# KiCad board Rogelio Pineda part 5.x1-AMLDC-2044B.kicad_pcb (continued)
## Routing (per net, layer and track width the routed paths; a pad name or vN(x,y) marks a point on that pad's centre or on a via; arc(x,y) is an arc through that point) (continued)
V0p10: length 7.8
  Top w0.15: UV0.5 120.09,67.14 120.16,72.39 120.16,73.23 UV0.10
V0p13: length 7.8
  Top w0.15: UV0.13 112.58,73.27 112.58,72.18 112.54,69.6 112.46,66.99 112.46,66.19 UV0.2
V1p12: length 8
  Top w0.15: 153.84,81.16 153.79,81.1 v1(153.72,81.1) 153.72,81.03 153.65,80.97 153.65,80.75 153.3,80.4 153.3,74.86 153.25,74.81 UV1.12
V1p13: length 13.7
  Top w0.15: 148.74,86.6 v1(148.74,86.66) 148.59,85.17 148.56,84.89 148.44,84.34 148.39,82.96 148.42,82.08 148.44,81.32 148.56,80.74 148.76,80.12 148.89,79.59 149.04,78.71 149.53,77.53 149.72,76.82 150.04,76.06 150.35,75.14 150.49,74.65 150.71,73.42
V3p10: length 7.6
  Top w0.15: 239.36,72.84 239.36,65.22
V3p13: length 7.8
  Top w0.15: 231.74,72.84 231.74,72.36 231.98,72.11 232.11,66.6 231.74,65.22
V5p1: length 18
  Top w0.2: UV5.1 298.16,63.94 298.56,63.4 298.97,62.16 299.27,60.81 299.43,54.71 299.4,52.92 299.41,52.58 299.45,52.12 299.23,50.44 299.02,49.62 298.87,49.07 UW5.1
V5p4: length 18.8
  Top w0.2: UW5.2 301.28,49.52 301.48,50.67 301.75,52.47 302.03,54.22 301.99,56.92 301.9,57.74 302.02,58.77 302.28,59.38 302.56,59.98 303.12,60.69 304.59,62.88 305.23,63.65 UV5.4
V5p5: length 19.2
  Top w0.2: UW5.7 312.56,47.85 312.31,48.29 312.01,49.16 311.09,50.29 309.61,52.27 309.42,55.02 309.62,60.3 309.12,61.8 308.81,62.69 308.28,63.48 UV5.5
V5p9: length 5
  Top w0.2: 314.11,76.76 v1(314.11,76.74) 314.87,76.22 315.57,74.37 315.94,73.5 UV5.9
V5p12: length 19.3
  Top w0.2: UW5.10 313.03,56.07 312.86,57.1 312.52,58.09 312.29,59.29 312.18,59.89 312.09,60.76 312,62.81 311.96,68.24 311.48,69.03 311.41,69.23 310.86,69.81 309.79,70.56 308.68,71.64 308.32,71.88 UV5.12
V5p13: length 19.3
  Top w0.2: UW5.15 300.61,57.1 300.54,58.54 301.14,60.21 301.66,61.23 301.89,61.93 302.06,62.61 301.96,65.92 301.97,67.53 302.25,68.51 302.73,69.2 303.21,69.71 303.46,70.08 303.88,70.31 304.31,70.65 305.13,71.43 UV5.13
V6p9: length 18.2
  Top w0.15: UV6.9 354.71,70.58 354.48,69.93 354.08,68.7 353.92,67.8 353.82,66.5 354.08,64.79 353.87,61.81 354.1,57.8 354.45,56.72 354.94,55.24 UW6.9
V6p12: length 9.2
  Top w0.15: UV6.12 348.64,71.21 348.92,70.74 350.02,69.5 350.72,68.62 351.39,67.66 352.08,66.39 UV6.5
V6p13: length 8.1
  Top w0.15: UV6.13 344.94,70.46 344.49,69.33 344.08,67.9 343.58,66.62 UV6.1
V7p13: length 38
  Top w0.15: UV7.13 382.51,73.88 383.12,75.81 383.36,76.62 383.6,77.14 384.31,79.34 385.34,82.1 386.94,86.8 387.87,89.64 389.92,95.58 391.78,100.52 392.73,102.98 393,103.82 393.92,106.38 394.07,106.86 UT7.7
(no net): length 15354.8
  Top w0.15: v1(435.61,361.51) 435.44,358.62 435.42,354.66 435.52,353.83 435.38,342.07 435.23,331.05 435.08,315.09 435.08,311.26 435,299.65 435.21,272.7 435.35,270.71 435.35,267.59 v1(435.26,267.5) ; 320.5,194.85 320.55,194.8 ; 320.55,194.8 320.34,191.57 320.37,190.83 320.27,187.79 320.11,186.38 320.05,184.76 319.77,182.23 319.47,180.67 319.38,179.54 319.18,178.28 319.09,177.03 318.86,175.71 318.68,174.47 318.57,172.92 318.48,172.08 318.37,166.87 318.14,160.19 317.98,133.68 317.93,132.16 317.92,130.24 317.87,129.31 317.76,124.81 317.81,123.33 317.76,118.17 ; 320.55,194.8 320.63,200.26 320.66,201.14 320.83,207.32 320.56,208.69 320.44,209.6 320.18,210.76 319.79,212.59 319.37,213.65 v1(319.01,214.32) ; 223.62,157.79 223.77,156.46 223.62,155.2 v1(223.62,153.84) ; v1(417.59,264.07) 417.71,265.75 417.57,287.77 417.63,289.14 417.76,297.06 417.76,297.95 417.85,302.06 417.92,303.23 417.69,303.72 417.53,304.75 417.99,306.01 418.1,310.4 417.79,310.79 417.65,312.27 417.74,312.36 417.74,312.53 418.14,313.21 418.04,314.33 418.03,315.77 v1(417.92,315.89) ; 256.65,89.45 v1(256.7,89.47) 256.91,90.8 257.17,92.01 257.21,93.67 257.22,97.51 257,97.72 257,116.5 257.12,117.61 256.84,150.55 256.85,153.57 256.74,155.74 v1(256.6,157.02) 257.13,161.43 256.67,221.62 256.59,227.41 v1(256.41,228.79) ; v1(321.56,40.95) 321.49,49.03 321.51,52.14 v1(321.69,65.02) ; v1(223.78,329.33) 223.94,330.28 224.18,331.51 224.37,333.12 224.49,335.73 224.48,337.48 224.48,356.32 224.44,359.35 ; 329.21,114.51 329.28,114.57 v1(329.15,114.64) 329.28,117.36 329.04,123.13 328.84,128.13 328.82,130.07 328.78,134.81 328.81,136.07 329.02,141.97 329.12,143.22 329.31,149.68 329.34,149.71 329.34,153.55 v1(329.51,153.72) ; v1(281.65,369.86) 281.65,345.91 v1(281.54,345.79) ; v1(399.47,286.71) 399.5,286.74 399.5,288.33 399.4,288.71 399.22,289.96 399.09,292.7 398.98,293.68 399.07,313.06 399.21,320.69 399.33,351.71 399.38,352.46 399.41,355.24 399.61,357 399.85,360.22 400.08,364.05 399.98,364.65 v1(400.02,364.69) ; v1(333.3,167.61) 332.86,166.75 332.74,166.47 332.47,164.89 332.4,164.35 332.23,163.29 332.18,161.81 332.18,157.69 332.33,156.49 332.56,152.79 332.84,151.53 332.97,148.47 v1(332.97,148.47) ; 254.2,50.02 254.2,50.12 v1(254.25,50.17) 254.2,50.22 254.2,51.19 254.38,51.89 254.56,54.47 254.61,55.1 254.9,57.87 255.04,59.42 255.2,69.82 255.05,71.2 254.88,74.54 254.67,76.65 254.35,78.61 254.01,80.27 253.87,82.13 253.74,85.54 253.59,117.21 253.57,119.9 252.93,145.35 252.97,154.67 253.41,160.48 253.71,161.72 v1(253.81,162.64) ; v1(366.31,218.24) 366.29,216.97 366.25,215.92 366.11,211.44 366.13,210.59 366.06,208.1 366.07,206.62 366.03,203.01 365.99,202.17 365.89,198.98 365.89,198.04 365.81,196.48 365.73,194.78 365.8,194.01 365.69,192.96 365.71,192.94 365.85,190.17 365.94,189.07 366.12,186.88 366.15,186.16 366.25,185.14 366.38,181.52 366.35,174.88 366.35,173.37 366.35,172.17 366.3,169.35 366.34,165.47 366.27,164.71 v1(366.08,163.62) ; 104.46,163.9 104.43,163.93 v1(104.43,165.18) ; v1(363.07,284.43) 363.32,284.16 363.29,283.75 v1(362.98,276.78) ; v1(179.27,221.32) 179.06,223.06 179.2,223.91 ; 224.44,359.35 224.02,359.77 v1(223.94,359.77) ; 224.44,359.35 224.44,359.43 ; v1(134.4,90) 134.5,93.81 134.49,94.43 134.72,96.07 134.87,99.37 134.91,100.98 134.97,102.63 135.07,104.36 135.07,109.63 135.49,111.26 135.75,113.97 135.92,114.91 136.09,116.33 136.42,118.08 136.45,123.1 136.21,124.39 136.07,126.62 136.03,126.97 135.41,132.89 135.17,135.06 135.1,136.34 134.96,136.99 134.77,140.78 134.84,142.16 134.79,144.19 v1(134.65,153.67) 133.94,154.38 133.71,155.29 133.17,157.37 133.04,169.32 133.17,170.89 133.91,174.66 134.26,175.83 135.21,179.98 135.43,181.5 135.83,185.85 136.01,187.02 136.28,191.92 136.36,193.27 136.41,195.42 136.45,196.99 136.63,199.85 136.88,201.01 137.32,206.97 137.43,208.16 137.65,210.31 137.78,211.17 137.87,214.54 137.98,216.29 138.16,218.82 138.23,219.44 v1(138.13,221.13) ; v1(400.17,367.49) 400.48,367.36 401.23,366.16 401.83,364.77 401.48,359.83 401.38,358.83 401.37,358.09 401.34,357.85 401.3,356.34 401.31,355.83 401.33,355.54 401.46,353.98 401.86,352.87 402.19,352.01 402.53,350.97 402.62,349.29 401.9,346.07 401.58,339.06 401.48,335.43 401.28,330.59 401.15,324.27 401.12,320.12 ; 286.75,288 286.31,277.31 286.24,275.66 286.43,273.37 286.76,263.36 287.36,256.67 287.62,254.45 v1(287.75,253.81) ; 255.36,346.2 255.38,346.06 ; 255.38,346.06 255.55,345.17 255.87,336.06 255.86,335.25 255.82,332.87 255.84,328.62 255.58,325 255.65,324.57 255.25,321.54 254.82,318.21 254.48,314.02 253.95,307.73 253.82,302.97 253.88,302.28 254.03,297.82 254.15,296.82 254.54,294.56 254.78,293.06 v1(255.29,291.17) ; 255.38,346.06 255.32,346.34 v1(255.29,347.17) ; v1(289.01,399.23) 289.31,396.84 289.72,392.4 289.68,375.54 289.68,372.13 289.39,366.88 v1(289.12,364.9) ; v1(289.07,288.37) 289.29,290.25 289.48,292.19 289.85,294.08 290.15,298.4 290.11,300.55 290.15,304.05 290.08,304.92 v1(290.09,305.25) ; v1(374.63,163.57) 375.21,188.48 375.09,240.14 375.15,252.88 375.15,253.58 v1(374.9,253.83) ; 253.02,46.3 v1(252.9,46.4) 252.88,46.87 252.44,48.35 251.34,52.58 251.22,53.63 250.83,56.61 250.15,59.48 249.93,61.67 249.71,63.05 249.72,64.98 249.65,66.98 249.83,68.03 249.99,78.9 250.03,78.94 250.03,88.07 250.16,91.33 250.41,100.43 250.39,100.45 250.46,110.21 250.62,116.82 251.01,122.15 251.13,123.28 251.22,124.84 251.17,127.06 250.76,130.09 250.64,131.61 250.58,132.85 250.52,135.29 250.51,139.42 250.49,144.31 250.22,154.81 250.11,160.81 250.49,162.17 250.89,163.61 251.76,166.15 252,168 252.24,169.57 252.27,174.11 252.29,178.03 252.24,180.32 v1(252,183.79) ; v1(99.01,106.58) 98.8,107.06 98.42,108.18 98.08,109.39 97.74,110.77 97.55,113.46 97.39,114.67 97.39,117.04 97.39,118.65 97.48,120 97.55,121.14 97.59,125.2 97.65,125.88 97.52,127.15 96.67,128.73 96.38,129.59 95.19,131.02 93.26,132.76 92.43,133.4 ; v1(183.59,179.32) 184.14,201.68 183.62,217.01 183.6,218.16 v1(183.39,221.22) ; 404.18,102.61 v1(403.99,102.75) 404.03,121.4 403.88,179.23 403.87,182.68 403.97,191.48 403.94,192.6 404.02,203.76 404.09,212.96 404.09,221.89 404.09,224.47 404.12,228.13 404.12,230.59 404.05,234.1 404.12,235.49 404.42,239.67 404.66,242.15 404.64,249.69 404.59,251.09 404.47,252.55 404.2,253.17 v1(403.98,253.58) ; v1(172.18,329.88) 172.39,330.87 172.76,331.97 172.79,333.96 172.59,337.58 172.13,340.17 171.7,345.45 171.7,348.88 171.6,350.32 171.84,354.14 172.78,355.78 173.27,356.93 173.39,357.87 173.39,362.98 173.38,364.34 173.26,366.6 173.22,368.17 173.52,371.32 173.8,373.43 173.87,374.56 173.93,376.27 174.15,380.95 174.29,381.99 174.39,384.8 174.54,386.17 174.37,389.98 173.61,394.9 173.38,397.95 173.29,398.84 v1(173.29,401.93) ; v1(338.22,206.68) 338.45,207.85 338.6,210.44 338.6,211.76 338.58,213.26 338.5,216.61 338.32,221.28 338.17,224.19 337.76,230.92 337.59,232.99 337.48,235.28 337.4,235.9 337.22,240.28 337.07,241.42 336.84,243.21 336.06,244.72 335.74,245.77 334.66,247.59 334.21,249.83 334.01,251.73 334.14,255.05 334.08,257.5 334.16,262.57 334.14,264.92 334.31,270.76 334.23,270.85 334.23,279.06 334.16,280.68 334.16,294.07 334.11,294.12 334.11,295.98 334.14,297.97 334.4,308.86 334.46,311.66 v1(334.63,316.11) ; 173.71,333.63 173.75,330.55 173.24,326.17 173.25,324.01 173.33,323.23 173.65,321.35 173.85,319.7 173.63,317.05 173.4,315.17 172.73,312.01 173.31,308.87 173.55,308.09 173.81,306.05 174.03,304.8 174.07,303.63 174.02,300.83 174.03,300.27 173.8,295.73 173.88,289.67 173.98,281.2 173.98,280.47 174.02,274.31 174.06,273.47 173.94,267.64 173.95,265.53 173.92,262.74 173.97,258.81 173.94,254.61 174.07,251.36 174.07,247.89 174.09,247.55 174.09,242.96 174.07,242.48 174.17,239.23 174.17,225.34 174.15,224.63 174.08,221.42 174.08,210.05 173.88,195.11 173.93,192.19 173.32,184.88 172.97,183.62 172.76,182.45 172.22,180.54 171.9,178.44 171.86,176.86 171.96,171.86 v1(172.26,170.34) ; v1(405.09,349.25) 404.95,350.02 404.62,350.96 404.45,351.54 404.19,352.15 403.82,353.45 403.71,354.35 403.57,355.89 403.56,358.53 403.7,365.3 403.4,367.21 403.24,367.77 403.06,368.81 402.92,370.22 402.87,370.62 402.76,371.23 402.76,377.74 402.7,378.29 402.73,379.15 402.89,381.13 403.01,381.73 403.3,383 403.43,383.51 403.68,384.38 404.1,385.16 404.34,385.88 404.44,386.36 v1(404.54,387.25) ; v1(221.98,289.43) 221.28,290.84 221.23,309.86 221.25,323.03 221.04,333.09 220.91,337.05 220.82,338.02 220.73,341.78 221.14,343.89 220.94,345.44 220.49,346.29 ; v1(363.07,328.79) 363.14,330.04 362.97,332.1 362.79,334.87 362.69,336.03 362.69,337.49 362.65,341.81 362.74,343.64 362.74,347.54 362.73,348.94 362.69,353.53 362.76,354.67 362.92,358.73 363.01,360.19 363.3,363.81 363.47,365.8 363.7,369.19 363.81,369.87 364.03,372 364.2,373.14 364.32,374.45 364.73,378.26 364.96,380.85 365.01,385.3 364.95,386.45 364.87,387.21 364.49,390.59 v1(364.33,391.06) ; v1(85.72,124.32) 86.1,123.46 86.32,122.36 87.21,119.97 87.38,119.07 87.66,116.54 87.76,115.97 87.69,115.53 87.74,114.44 87.72,113.42 87.62,111.55 87.22,110.19 86.96,109.17 86.09,108.06 84.95,107.46 84.69,107.28 83.78,107.08 v1(82.41,107.01) ; v1(367.93,354.17) 368.41,353.69 368.66,345.87 368.46,343.87 368.28,343.39 367.66,341.82 367.37,341.03 366.96,340.07 366.81,339.12 367.09,337.61 367.23,337.09 367.39,336.1 367.53,335.48 367.59,334.81 367.78,333.9 368,332.9 368.13,332.15 368.3,331.02 368.43,330.15 368.43,328.88 368.37,328.62 368.29,328.12 367.97,327.13 367.43,325.99 367.28,325.48 367.09,324.57 366.9,323.26 366.85,322.25 366.7,319.84 366.66,318.77 366.75,317.35 367.05,315.62 367.3,314.41 367.36,312.35 367.04,311.34 366.54,309.98 366.16,308.72 366.25,307.3 366.6,306.11 367.18,304.29 367.58,303.25 368.23,301.36 369.12,299.37 369.67,295.46 369.7,291.99 369.86,283.93 369.52,280.36 369.09,278.39 368.9,276.55 369.26,275.15 369.85,273.78 370.2,272.99 370.52,271.56 370.36,269.72 369.96,268.56 369.58,267.1 369.2,265.73 368.99,261.79 369.02,261.06 368.94,260.44 369.02,257.25 368.93,256.18 368.73,253.68 368.65,252.97 368.54,249.31 368.48,249.09 368.57,244.8 368.72,236.56 368.76,235.91 368.7,235.58 368.69,235.15 367.9,231.64 367.74,230.61 367.47,229.7 367.23,228.63 367.12,227.87 367.16,226.77 367.29,225.79 v1(367.43,224.54) ; 334.3,104.21 334.3,104.25 v1(334.35,104.3) 334.3,104.35 333.83,104.95 333.51,105.97 333.35,107.31 333.14,113.88 333.23,115.44 333.29,117.48 333.33,118 333.65,121.13 333.82,121.97 334.16,123.86 334.22,124.98 v1(334.16,125.28) ; v1(407.69,257.66) 407.77,256.78 408.02,255.99 408.28,254.43 408.4,253.7 408.47,252.59 408.58,250.15 408.62,249.66 408.57,246.41 408.5,245.04 408.52,244.09 408.32,243.02 408.24,241.16 408.04,239.86 407.89,238.18 407.68,236.72 407.59,235.55 407.39,234 407.27,232.17 407.17,230.54 406.96,217.82 407.02,216.08 406.96,214.17 406.95,211.8 406.84,199.91 ; v1(181.78,56.63) 181.58,56.63 180.53,57.98 181,60.69 181.2,61.72 181.6,63.32 181.66,64.68 181.3,80.8 181.37,81.61 181.31,82.99 180.91,96.88 180.3,101.99 180.07,104.71 180.18,106.16 180.28,106.7 180.66,109.73 181.16,112.92 181.09,113.63 181.09,114.53 181.26,120.15 181.26,126.59 181.31,144.97 181.33,146.28 181.33,152.57 181.75,160.77 181.99,162.12 v1(182.4,162.83) ; v1(411.97,399.92) 412.18,399.46 412.58,398.6 412.59,392.8 412.59,390.87 412.56,379.18 412.55,374.85 412.5,367.34 412.47,365.81 412.33,354.67 412.33,352.67 412.35,349.35 412.41,342.5 412.28,338.59 412.17,337.26 412.04,335.67 412.04,334.17 v1(411.8,333.92) ; 83.67,72.46 83.5,72.29 v1(83.15,72.27) 83.13,72.29 ; 83.67,72.46 84.72,72.78 85.05,73.04 86.67,73.9 86.96,74.07 87.31,74.29 87.69,74.49 88.59,75.1 89.17,75.39 90.05,75.98 90.69,76.42 92.15,77.58 94.5,79.98 95,80.63 95.9,81.64 96.91,83.14 97.91,84.45 98.4,85.34 99.49,86.91 100.16,88.11 101.02,89.82 101.45,90.97 101.52,91.04 101.76,92.02 101.74,92.27 101.85,92.97 101.44,95.11 101.36,95.61 101.2,96.4 101.45,98.14 101.69,98.89 101.88,100.28 102.04,100.83 102.16,101.38 102.28,101.96 102.3,102.58 102.41,103.22 102.51,105.04 102.5,105.71 102.47,106.39 102.31,107.52 102.08,108.51 101.82,109.59 101.45,110.44 101.18,111.76 100.82,112.7 100.46,113.89 100.07,114.92 99.49,117 99.42,118.12 99.35,119.42 99.43,120.14 99.4,120.67 99.63,121.64 99.63,122.23 99.89,123.27 100.19,125.09 100.43,126.22 100.48,126.94 ; 83.67,72.46 83.54,72.33 ; 253.68,342.9 253.68,343.29 253.73,342.49 254.21,338.72 254.42,337.14 254.45,336.71 254.63,334.6 254.52,333.14 254.54,331.9 254.57,329.17 254.18,324.96 253.89,322.13 253.8,320.42 253.38,313.94 252.95,309.83 252.58,306.38 252.55,305.19 252.36,301.42 252.35,298.51 252.32,290.34 252.33,286.65 252.45,282.92 252.51,282.53 252.72,280.44 253.2,277.23 253.42,276.46 253.52,276.46 v1(254.06,275.92) ; v1(178.86,368.84) 178.72,367.51 178.53,363.27 178.47,362.39 178.09,359.91 177.98,358.44 177.76,356.15 177.8,354.05 178.07,351.01 178.4,348.57 178.43,348.23 178.62,346.04 178.78,343.23 179.02,340.64 179.37,336.01 179.33,334.91 179.25,332.55 179.04,330.81 178.72,328.08 178.55,325.98 178.47,325.91 178.47,321.88 178.49,321.31 178.7,318.83 178.88,317.59 179.04,307.73 178.94,307.16 178.84,303.28 178.74,302.47 178.21,297.15 178.08,295.44 178.57,294.04 179.35,292.27 180.12,289.08 180.3,280.12 ; 212.27,201.43 212.17,186.03 212.21,185.98 212.21,178.72 212.26,178.67 212.3,170.73 212.27,169.43 212.47,166.76 212.93,162.47 ; v1(368.06,272.91) 367.97,273.65 367.92,274.06 367.86,274.78 367.87,277.38 368.13,278.74 368.47,280.23 368.62,280.87 368.83,281.84 368.89,282.57 368.81,294.36 368.52,297.01 368.08,299.43 367.45,301.12 366.87,302.92 366.47,303.89 365.79,305.9 365.53,306.53 365.28,307.53 365.23,308.26 365.3,309.99 365.52,311.26 v1(365.41,312.28) ; v1(97.38,90.82) 97.03,92.28 96.76,92.91 96.42,94.72 95.61,97.55 95.57,98.74 95.5,99.92 95.39,100.34 95.29,101.39 94.93,103.79 94.81,105.16 94.61,106.93 ; v1(337.02,252.72) 336.85,253.71 336.72,255.33 336.71,257.23 336.59,258.45 336.64,265.99 336.62,266.72 336.62,267.66 336.61,273.69 336.61,280.07 336.68,280.14 336.68,287.8 336.82,290.09 336.86,290.44 336.96,291.94 337.04,293.78 337.12,294.59 v1(337.09,295.84) ; 107.05,200.13 107.5,202.85 107.66,203.63 107.66,204.3 108.15,207.24 108.21,207.83 108.55,208.78 108.7,209.48 v1(108.99,211.45) ; v1(368.15,338.91) 368.31,338.2 368.47,337.42 368.41,337.06 368.53,334.89 368.93,332.48 369.12,331.69 369.39,330.04 369.48,328.95 369.26,327.76 368.82,326.71 367.87,323.47 367.71,322.41 367.62,321.66 367.63,321.24 367.58,319.74 367.61,318.71 367.58,317.76 367.71,316.9 367.84,316.39 368.45,312.96 368.1,311.5 367.87,311.02 367.25,309.4 367.17,308.39 367.12,307.89 367.3,307.01 368.2,304.82 368.64,303.44 368.99,302.56 369.38,301.12 370.05,299.38 370.53,296.86 370.65,296.3 370.8,282.57 370.78,281.39 370.66,280.49 370.56,279.73 370.06,277.97 369.87,276.64 370.23,275.24 370.61,274.36 371.28,272.79 371.44,271.44 371.42,270.86 371.38,269.72 371.01,268.96 370.93,268.36 370.39,266.82 370.02,264.97 369.9,255.67 369.89,255.65 369.73,254.55 369.64,253.76 369.46,250.76 369.72,248.48 370.71,245.56 371.19,244.23 371.36,239.31 371.45,237.33 371.4,218.38 371.17,215.02 371.15,214.64 370.66,211.8 370.24,208.81 370.19,207.99 369.88,199.68 369.85,198.81 369.78,191.32 370.66,188.73 371.23,187.11 371.43,186.49 371.57,185.78 371.81,184.9 371.8,182.89 371.74,177.86 371.29,171.78 371.17,170.64 371.1,170.14 v1(370.9,169.74) ; v1(403.42,397.33) 402.97,396.36 402.32,395.38 402.03,394.6 401.8,394.14 401.34,392.24 401.46,386.11 v1(401.28,384.68) 401.39,384.26 401.5,383.87 401.48,382.46 401.48,381.5 401.31,374.64 401.34,373.97 401.37,373.24 401.44,370.36 401.55,369.51 401.81,368.41 402.21,366.48 402.61,364.69 402.58,361.38 402.49,359.74 402.44,357.12 402.44,356.15 402.42,355.33 402.53,354.47 402.86,353 403.11,352.31 403.49,351.33 403.58,349.3 403.4,347.79 403.26,346.66 403.13,345.63 403.14,345.17 402.91,342.96 402.79,341.26 402.79,340.78 402.76,336.95 402.82,335.89 402.92,330.18 403.04,329.4 403.21,328.15 403.31,327.77 v1(403.43,326.17) 403.23,325.68 403.11,325.31 402.79,323.69 402.71,323.05 402.53,321.21 402.54,320.1 402.54,317.55 402.58,316.94 402.69,315.62 402.81,314.68 402.94,313.76 403.25,312.44 403.57,309.85 403.03,307.54 v1(403.03,307.23) ; v1(82.48,122.04) 82.72,122.93 83.05,123.71 83.23,124.31 83.48,124.67 84.28,126.15 84.52,126.52 84.92,127.12 85.49,127.63 86.23,128.05 86.9,128.17 87.42,128.16 88.32,127.83 89.82,126.33 90.01,126.07 90.38,125.43 90.77,124.79 91.58,123.04 91.98,121.94 92.11,121.55 92.19,121.07 92.29,120.25 92.29,117.03 92.21,116.38 92.11,115.37 92.01,114.84 92.01,114.34 91.86,112.51 91.84,112.25 91.84,112.07 91.74,111.16 91.71,110.95 91.75,109.97 91.81,109.33 92.02,107.54 92.15,106.67 92.24,105.64 92.31,105.3 92.34,105.21 92.48,104 92.63,102.47 92.63,101.58 92.69,101.47 92.68,101.37 92.47,99.47 92.18,98.76 91.91,98.09 91.63,97.75 91.35,97.4 90.24,96.29 89.92,96.09 89.19,95.6 88.31,94.97 87.22,94.22 87.08,94.01 86.45,93.64 86.1,93.31 v1(84.75,92.66) ; 400.41,295.19 400.35,296.16 ; 400.35,296.16 400.38,295.46 400.64,294 400.74,293.3 400.86,292.42 401.18,291.51 401.77,289.34 402.22,288.23 402.69,286.77 402.76,286.38 402.96,285.88 403.34,284.26 403.55,281.08 403.58,279.76 403.59,269.76 403.6,268.19 403.39,265.32 402.99,263.58 402.38,262.19 401.47,260.74 401.41,260.74 400.44,258.99 399.52,257.55 399.12,256.44 398.77,254.79 398.69,248.54 398.68,247.37 398.5,208.9 398.77,204.11 398.71,201.56 v1(398.89,201.38) ; 400.35,296.16 400.22,300.47 400.22,302.35 400.19,306.29 400.2,307.02 400.2,316.92 400.17,318.58 400.45,330.39 400.45,334.65 400.71,347.8 400.81,349.4 v1(400.84,350.56) ; 408.9,233.59 408.92,234.73 409.07,236.24 409.06,237.46 409.32,240.55 409.33,241.17 409.43,243.22 409.66,246.34 409.67,248.24 409.78,252.72 ; v1(319.75,119.17) 319.53,120.17 319.42,121.23 319.32,123.56 319.2,124.72 318.99,138.83 319.02,153.46 319.21,155.16 319.92,157.04 320.75,158.9 321.22,160.02 321.57,161.35 321.61,162.31 321.67,163.86 321.56,170.66 321.63,171.84 322.1,177.43 322.28,178.33 322.52,180.3 322.73,181.31 322.73,181.84 322.94,183.53 322.91,184.48 323.07,186.22 323.05,224.84 323.05,226.19 322.73,237.44 322.62,238.62 322.53,239.78 322.47,240.68 322.32,241.12 322.16,242.51 322.04,243.59 322.04,244 321.82,245.8 321.63,247 321.5,247.81 321.26,249.91 321.16,250.66 v1(321.14,251.26) ; v1(330.91,301.16) 331.27,302.4 331.66,303.62 331.87,304.39 332.13,305.18 332.42,306.47 332.73,307.62 332.92,309.85 332.94,311.07 332.98,312.81 332.94,314.55 332.78,315.92 332.52,321.34 332.57,321.75 332.77,323.84 332.96,324.53 333.06,325.08 333.3,325.79 333.61,327.36 333.77,327.92 334.12,329.37 334.46,330.5 335.26,334.01 335.43,335.47 335.28,340.59 335.02,344.84 335.38,350.27 335.41,351.52 335.58,356.47 v1(335.35,357.46) ; v1(372.2,333.87) 372.24,332.74 372.33,331.65 372.45,330.6 372.58,329.46 372.56,328.73 372.63,327.09 372.55,326.49 372.14,325.24 372.23,325.33 371.64,324.23 370.93,322.91 370.41,321.08 370.28,318.17 370.67,315.65 371.02,314.22 371.24,313.3 371.55,312 371.61,311.27 371.48,309.69 ; v1(85.18,117.97) 85.33,117.1 85.38,115.19 85.5,114.78 85.39,112.88 85.22,112.03 85,111.25 84.5,110.75 84.24,110.47 83.69,110.17 83.1,110.11 v1(82.61,110.46) ; 335.94,156.02 336.09,155.22 335.74,146.56 ; 281.56,71.61 281.56,71.66 v1(281.58,71.67) 281.56,71.69 281.56,76.47 281.36,81.67 281.37,83.38 281.42,84.87 281.36,90.43 281.32,92.7 281.47,100.06 281.67,102.69 281.75,107.56 281.97,109.86 281.94,111.88 282.11,113.36 282.22,114.06 282.54,118.9 282.81,119.67 283.22,121.71 283.57,123.42 284.01,125.59 283.87,128.61 283.97,133.93 283.81,180.96 283.44,203.27 283.21,204.08 283.04,205.03 282.85,205.64 282.39,207.83 282.12,208.57 281.61,211.37 v1(281.31,212.18) ; v1(290.53,200.35) 290.35,199.32 289.87,197.77 289.72,196.57 289.71,189.36 290.04,182.48 290.22,179.31 290.55,176.07 291.01,168.75 291.12,158.7 291.29,153.22 291.25,147.79 291.4,125.66 291.35,119.49 291.35,107.22 291.33,107.19 291.07,103.81 291.14,100.53 291.3,94.08 291.35,94.03 291.14,90.67 291.21,87.03 291.21,80.46 291.18,80.44 291.18,75.01 291.18,73.8 290.95,68.79 ; v1(320.94,136.91) 320.94,137.71 320.82,137.91 320.58,139.14 320.47,140.68 320.24,148.22 320.31,153.5 320.53,154.83 321.06,156.24 321.68,157.56 322.52,159.17 322.79,160.89 322.66,171.23 322.79,174.03 323.17,177.37 323.34,178.17 323.78,180.29 323.94,180.92 324.04,185.23 324.13,186.23 324.19,189.3 324.16,190.93 324.26,197.94 324.25,197.95 324.25,208.42 324.26,208.44 324.26,215.61 324.22,216.36 324.06,228.27 324.03,232.49 324.03,233.99 324.1,238.33 324.13,239.53 323.89,244.41 323.79,245.51 323.39,248.74 323.14,250.23 322.92,251.77 322.86,252.08 v1(322.67,252.92) ; v1(183.93,148.62) 184.04,145.72 183.99,139.52 183.72,127.82 183.72,126.76 183.74,125.15 183.5,114.77 183.45,112.28 183.42,110.8 183.51,110.09 183.51,104.46 183.44,104.39 183.51,104.32 183.6,94.44 183.66,93.24 183.7,91.49 183.72,89.55 183.8,86.84 183.77,85.29 183.83,82.98 183.92,78.3 183.95,77.67 183.95,69.81 183.99,68.28 184.13,64.09 184.16,62.45 184.16,59.43 184.1,58.16 183.85,57.6 v1(183.85,56.99) ; v1(219.09,168.59) 219.22,169.56 219.33,170.55 219.29,171.4 219.38,172.82 219.38,174.86 218.84,189.52 218.73,190.84 218.56,197.53 217.83,202.89 218.64,209.33 218.76,212.96 218.7,213.6 v1(218.79,214.97) ; v1(182.91,335.42) 182.38,336.37 182.29,338.14 182.35,339.7 182.32,341 182.03,349.96 181.97,352.79 181.79,359.52 181.98,365.11 182.21,365.48 182.23,365.71 v1(182.27,366.28) ; v1(250.14,187.11) 250.47,185.42 250.25,182.56 251.31,173.89 251.42,171.78 251.08,167.71 249.91,164.85 249.12,160.97 249.35,141.99 249.24,132.95 249.24,126.87 v1(249.18,122.92) ; v1(409.5,391.53) 409.69,391.09 409.7,390.07 409.65,375.77 409.61,372.57 409.49,364.54 v1(409.38,361.9) ; 172.53,293.52 172.17,289.6 171.66,287.07 171.41,282.02 171.51,279.2 171.68,268.9 171.49,265.61 v1(172.18,263.16) ; 211.41,51.13 211.41,51.36 v1(211.35,51.42) 211.03,68.27 210.7,73.91 210.76,75.23 210.76,75.76 v1(210.57,75.96) 210.61,75.91 210.83,77.34 210.97,78.21 211.35,80.2 211.38,82.21 211.4,82.91 211.4,101.61 211.35,103.5 210.97,105.14 210.47,106.33 209.95,108.51 209.9,108.97 209.99,109.74 210.33,113.16 210.46,114.73 210.62,119.97 210.53,123.28 210.57,123.58 210.59,124.6 210.91,126.03 210.95,126.87 211.18,128.59 211.39,130.97 211.6,132.86 211.71,134.26 211.8,135.92 211.74,138.44 211.75,142.71 211.72,144.53 v1(211.17,147.29) 211.01,148.56 211.01,155.28 211.06,156 211.06,162.61 210.99,164.08 211.08,171.68 211.05,173.42 211.07,179.58 210.99,183.84 211.02,188.97 210.93,189.57 211.01,198.14 211.06,198.39 210.96,203.56 210.93,206.12 210.93,216.19 210.88,216.24 210.88,221.42 210.57,229.09 210.49,257.55 210.48,258.67 210.32,344.09 210.54,345.08 211.07,348.97 v1(211.21,349.76) ; v1(158.66,266.87) 159.8,267.39 160.64,267.93 161.05,268.35 161.68,269.14 162.02,270.32 162.03,272.09 162.08,273.28 v1(162.16,276.43) ; v1(308.45,123.1) 308.88,124 309.04,125.49 309.39,128.22 309.51,129.76 309.61,130.77 309.7,132.31 309.84,133.83 309.96,136.71 309.96,137.18 309.98,137.67 309.91,142.21 309.91,142.78 309.98,149.79 309.96,149.81 309.99,156.11 310.03,164.49 309.84,165.49 309.63,165.98 309.45,166.24 309.45,166.26 309.28,166.48 308.94,166.79 308.26,167.32 307.49,167.93 v1(307.49,167.93) ; v1(179.68,54) 179.68,54.27 179.55,54.69 179.42,55.07 179.31,55.5 179.28,57.46 179.46,58.81 179.61,60.04 179.97,61.52 180.61,65.19 180.78,66.9 180.66,70.07 180.64,71.08 180.42,77.22 180.39,77.71 180.17,82.4 180.16,88.88 180.07,95.3 179.89,97.85 179.7,99.09 179.33,101.3 179.09,105.13 179.04,106.2 179.17,107.47 179.48,108.68 179.84,110.85 179.94,112.01 179.95,112.55 180.06,113.18 180.07,114.14 180.25,116.91 180.31,118.94 180.28,120.23 180.32,123.94 180.32,124.49 180.29,125.68 180.2,136.66 180.28,141.52 180.22,142.97 180.33,147.62 180.3,148.26 180.39,153.48 180.39,154.93 180.82,161.01 180.92,161.97 ; 100.48,126.94 100.49,127.58 100.74,146.02 100.66,146.1 100.6,154.79 100.54,155.61 100.33,158.39 100.29,159.3 100.11,161.06 99.99,162.37 99.89,163.16 99.88,163.44 99.76,164.53 99.81,165.34 100.08,167.96 100.9,171.56 101.07,173.3 101.17,174.45 101.23,176.2 101.13,179.23 100.75,182.02 v1(100.52,183.22) ; 100.48,126.94 100.47,126.76 ; v1(409.32,356.65) 409.58,356.09 409.76,355.53 409.88,354.26 410,352.94 409.93,345.69 409.93,344.85 409.5,343.45 408.92,342.4 408.19,341.61 408.07,341.24 407.58,339.7 407.73,337.25 407.83,336.61 407.88,334.14 407.87,334.13 407.87,328.05 407.98,326.27 407.98,321.71 408.04,321.44 408.15,320.2 408.22,319.65 408.3,318.45 408.66,316.07 408.77,312.54 408.79,310.46 408.49,307.55 408.32,305.86 408.15,303.76 408.04,302.38 407.9,301.12 407.74,299.51 407.65,297.96 407.48,295.43 407.41,294.07 407.3,288.7 407.25,288.65 407.25,285.6 407.3,285.55 407.23,282.81 407.15,281.28 407.09,278.3 407.07,276.86 407.09,276.36 407.07,273.26 407.29,268.01 407.37,266.82 407.41,265.26 407.53,264.37 407.57,263.2 407.57,262.31 407.75,260.97 v1(407.63,259.98) ; v1(249.01,264.44) 248.77,249.01 248.65,246.21 248.59,231.75 248.65,215 248.43,193.63 v1(248.96,170.49) ; v1(170.86,335.65) 170.86,336.06 170.42,338.21 170.36,338.83 170.23,340.54 170.14,345.11 170.19,345.16 170.19,349.13 170.42,350.89 170.5,353 170.55,354.09 171.08,355.28 172.1,356.91 172.39,359.08 172.06,361.92 171.49,363.31 v1(170.79,363.61) ; 326.83,84.23 326.8,84.25 v1(326.76,84.25) 326.76,84.3 326.84,84.81 326.75,85.92 326.46,88.09 326.31,89.35 326.32,89.97 325.7,96.41 325.67,97.5 325.69,98.23 325.69,113.34 325.84,113.49 ; 409.78,252.81 409.39,263.11 409.27,265.1 409.2,267.52 409.1,268.73 408.93,272.56 408.85,274.19 408.65,278.19 408.52,279.5 408.46,281.66 408.44,282.65 408.31,285.17 408.52,286.82 v1(408.97,287.96) 408.97,289.01 408.77,294.24 408.75,295.17 408.7,296.16 408.95,302.24 409.12,303.12 409.27,303.91 409.53,306.36 409.77,307.75 409.99,309.03 409.99,310.79 409.78,316.45 409.47,318.74 409.18,321.45 408.98,323.41 408.87,326.54 408.81,327.22 408.86,327.47 409.04,334.18 409.01,335.93 409.15,337.73 409.15,338.84 v1(409.26,340.13) ; v1(218.83,343.25) 219.17,341.45 219.6,338.54 219.94,315.43 219.88,312.89 219.91,310.72 219.64,304.74 219.53,303.53 219.16,299.72 219.02,298.73 218.83,296.37 v1(218.87,296.33) 219.38,294.94 219.72,292.96 219.67,279.69 219.3,272.94 218.91,266.73 218.86,265.84 218.4,256.44 218.07,252.69 217.44,243.43 216.95,238.17 216.49,231.6 215.92,228.33 215.04,224.5 214.81,222.57 214.91,208.33 214.95,207.31 215.01,203.9 214.87,202.18 215.05,199.58 215.31,196.27 215.51,194.46 215.5,191.72 ; 214.28,52.11 214.28,69.39 214.38,82.29 214.27,97.84 214.23,102.25 v1(214.17,102.57) 213.84,103.34 214.96,110.88 215.19,114.81 215.16,116.27 214.91,123.07 214.83,125.08 214.72,125.98 214.66,126.37 214.16,143.27 213.84,155.46 213.91,157.93 213.98,160.53 214.03,161.98 213.62,165.83 213.3,167.96 213.3,174.03 213.26,174.07 213.3,174.11 213.3,183.83 213.44,186.39 213.6,189.22 213.69,190.73 213.8,193.96 213.91,198.61 v1(213.68,228.74) ; 214.28,52.11 214.04,51.87 214.04,49.15 v1(213.92,47.82) 214.04,47.91 ; 214.28,52.11 214.08,51.92 ; v1(177.71,202.14) 177.44,199.98 177.53,199.21 177.32,196.5 177.3,194.01 177.09,187.02 177.06,184.78 176.96,177.98 176.93,176.66 176.92,171.78 177.21,168.99 177.66,165.93 177.65,164.4 177.47,163.02 177.22,159.92 176.98,156.93 176.95,154.5 176.85,120.96 176.9,119.45 176.73,117.36 176.72,117.35 176.72,115.33 176.58,114.68 176.39,112.7 176.31,112.2 176.26,111.19 175.86,108.84 175.69,107.47 175.72,106.6 175.52,105.41 175.66,104.09 175.7,103.5 175.73,102.61 176.46,99.02 176.42,84.74 176.7,78.16 176.93,75.78 177.25,74.39 177.35,70.4 177.25,68.75 176.73,66.4 176.31,65.1 176.07,64.03 175.69,62.95 174.68,59.96 v1(174.68,59.95) ; v1(217.43,334.88) 217.43,336.52 217.21,337.59 217.04,360.51 217.13,360.6 217.25,366.28 217.25,368.95 217.59,371.81 217.87,373.02 218.04,373.86 218.21,375.97 v1(217.15,378.49) ; v1(335.89,208.07) 335.82,207.7 335.93,206.68 336.47,205.24 336.98,203.9 337.45,202.99 337.66,202.34 337.82,201.69 338.13,195.26 v1(338.08,194.05) ; v1(141.67,350.9) 140.83,350.72 140.01,349.51 140.05,344.83 140.14,343.72 140.14,327.59 140.09,327.54 139.61,323.62 139.09,321.07 138.99,318.18 138.78,316.31 138.48,313.87 138.1,311.82 137.84,306.72 138.27,303.61 138.27,301.29 137.84,299.8 137.74,294.94 137.87,293.99 138.14,289.29 137.78,286.6 137.66,283.64 138.04,282.13 138.4,280.54 139.03,278.01 139.15,274.86 138.94,271.68 ; v1(142,291.2) 141.76,292.38 141.31,295.78 140.78,296.99 140.66,298.55 140.94,299.97 141.22,301.4 141.62,302.92 141.83,304.43 141.89,306.08 142.04,310.63 141.95,313.23 141.9,314.81 v1(141.74,316.74) ; v1(255.14,238.85) 254.87,238.58 254.87,229.31 254.77,227.07 254.87,222.61 255.21,220.39 255.47,213.04 255.51,211.2 256.04,184.83 256.04,181.96 255.93,178.26 256.16,167.61 256.12,165.66 256.13,163.83 255.95,161.47 255.52,159.53 255.13,158.42 254.81,156.52 255.3,154.41 255.63,150.55 255.67,144.78 255.72,117.41 255.64,102.09 255.52,99.64 255.62,99.54 255.62,96.21 v1(255.46,96.04) 255.62,95.88 255.62,95.65 ; v1(130.51,122.93) 130.01,122.04 129.76,120.01 129.73,103.48 129.66,100.56 129.66,90.16 129.64,82.67 129.58,65.23 129.64,47.4 v1(129.94,45.38) ; v1(324.26,254.58) 324.49,254.17 324.51,253.81 324.61,252.74 324.88,249.42 325.21,241.98 325.35,241.31 325.41,206.87 325.28,183.86 325.2,182.3 325.04,180.97 324.66,179 324.38,177.38 324.28,176.55 324.02,175.16 324.02,161.72 ; v1(375.31,350.3) 375.66,349.8 375.75,349.09 375.84,348.59 376.01,347.35 376,347.11 376.01,346.66 376.11,344.27 376.11,343.78 376.02,323.41 376.03,322.56 375.97,320.36 375.99,319.09 375.87,314.05 375.92,313.79 375.8,290.54 375.79,289.31 375.74,286.47 375.73,285.13 375.8,283.45 375.68,278.71 375.68,272.56 375.38,268.11 374.9,267.2 374.42,266.43 373.96,265.28 373.69,264.64 373.53,256.42 373.48,255.48 373.57,253.81 373.87,252.22 374.24,250.58 374.22,232.35 373.87,211.2 373.76,210.32 373.59,209.5 v1(373.64,209.2) ; v1(215.6,65.55) 215.6,64.6 215.69,64.51 215.69,53.41 215.73,53.38 215.81,51.48 216.02,49.53 215.93,48.85 215.76,47.61 215.65,46.28 215.41,44.15 215.23,41.14 v1(214.98,39.38) ; 170.09,184.77 169.52,181.04 169.47,179.7 169.32,178.26 ; v1(324.09,67.42) 324.25,45.74 v1(323.89,43.48) ; v1(333.57,202.62) 333.21,205.08 333.11,205.92 333.2,209.17 333.97,210.6 334.48,211.71 334.94,212.85 335.21,214.42 335.21,215.35 335.34,222.1 335.35,222.6 335.57,228.62 335.34,235.72 335.34,236.21 335.15,238.23 335.13,238.25 334.91,240.78 334.72,242.12 v1(334.56,242.89) ; v1(182.34,59.43) 182.45,59.54 182.45,65.8 182.51,66.24 182.49,67.53 182.54,72.12 182.63,72.2 182.43,74.59 182.48,76 182.44,77.07 182.44,83.94 182.39,83.98 182.49,84.08 182.49,87.95 182.37,88.07 182.2,94.06 182.14,94.87 182.14,96.75 181.96,98.11 181.51,101.12 181.07,102.95 181.21,106.62 181.41,107.72 181.7,110.17 182.11,112.23 182.24,127.78 182.07,127.95 182.37,155.36 182.49,156.28 182.51,156.96 182.76,157.91 183,158.91 183.98,160.59 184.22,161.6 184.26,161.64 184.26,163.2 184.04,163.76 v1(183.74,164.47) ; v1(183.59,265.62) 183.59,254.18 v1(183.55,254.14) 183.36,253.95 183.36,225.33 v1(183.55,225.14) ; v1(368.33,129.42) 368.42,129.51 368.57,131.67 368.65,132.48 368.75,133.47 368.85,134.4 369.03,135.79 369.22,137.55 369.22,139.03 369.17,139.89 369.16,140.32 368.92,151.58 368.94,152.16 368.9,152.95 368.86,154.16 368.57,164.18 368.53,166.07 368.42,173.02 368.46,173.06 368.61,179.28 368.59,180.32 368.63,184.73 368.47,186.46 368.2,189.22 368.02,190 367.8,192.81 367.94,198.57 368.08,202.91 368.18,206.98 368.26,208.99 368.5,210.26 368.77,211.66 369.13,213.98 369.35,215.22 369.48,217.07 369.65,219.3 369.61,220.77 369.4,224.31 369.14,225.99 v1(368.78,228.18) ; v1(85.45,150.05) 89.7,150.25 v1(90.48,150.47) ; v1(175.9,71.59) 175.33,71.59 175,71.92 175.22,88.52 175.18,93.18 175.2,93.69 175.48,98 175.15,100.02 174.17,103.34 174.34,104.91 174.47,105.78 174.93,110.67 174.98,111.74 175.55,117.29 175.71,119.13 176.09,125.94 176.06,154.15 ; v1(367.25,145.62) 367.35,149.03 367.4,151.66 367.42,153.26 367.64,162.22 367.67,163.38 367.62,164.93 367.6,166.26 367.59,167.11 367.48,173.11 367.47,173.38 367.46,174.67 367.53,182.22 367.51,184.54 367.34,186.34 367.24,187.16 366.91,191.58 366.9,192.08 366.89,192.93 366.9,199.86 367.03,201.91 367.1,203.9 367.24,205.67 367.22,206.81 367.24,208.91 367.51,210.45 367.72,211.31 367.9,212.25 368.18,213.7 368.22,214.52 368.33,215.63 368.43,216.55 368.4,216.58 368.31,218.68 368.28,219.36 368.13,220.36 367.83,221.32 v1(367.48,221.97) ; 371.48,309.94 371.1,308.61 370.49,306.7 370.41,305.32 370.49,303.73 370.79,302.9 371.25,301.22 371.53,300.56 371.68,300.21 371.94,299.51 372.14,298.96 372.41,298.04 372.58,293.78 372.62,290.91 372.67,283.62 372.65,279.07 372.52,278.65 372.23,277.33 371.89,276.64 v1(371.84,276.64) ; 170.05,184.48 170.8,187.78 171.27,190.19 171.66,193.16 171.71,196.98 171.33,200.12 170.58,202.15 169.64,204.13 169.24,205.71 169.11,208.54 169.11,210.11 168.99,229.65 169.06,229.71 169.06,239.05 169.11,239.4 168.96,260.26 168.93,260.29 168.82,284.04 168.83,285.46 168.79,287.05 169.14,290.95 169.3,291.75 v1(169.61,293.65) 169.44,294.66 168.89,298.04 168.87,307.69 ; v1(400.36,249.8) 400.36,247.86 400.34,247.85 400.25,224.92 v1(400.3,211.56) ; v1(141.67,348.63) 141.38,346.8 141.16,342.2 141.09,340.51 141,335.71 141.09,334.56 141.18,327.59 v1(141.6,327.17) 141.29,325.21 140.89,324.03 139.98,319.97 139.83,318.01 140.09,315.7 140.86,312.57 140.98,307.69 140.75,303.45 140.5,302.28 140.48,302.25 140.4,301.4 139.63,297.7 139.73,294.84 139.99,294.23 139.99,290.32 140,289.72 ; v1(405.66,260.99) 405.54,260.18 405.61,259.74 405.61,258.33 405.62,258.09 405.7,257.4 405.65,256.68 405.74,256.07 406.02,254.32 406.16,253.39 406.39,252.36 406.59,250.98 406.72,249.57 406.88,248.72 407.05,246.77 407.15,244.04 407.15,243.38 407.01,241.69 406.96,240.59 406.72,239.42 406.24,236.02 406.06,235.1 405.83,233.9 405.76,233.01 405.63,231.83 405.66,231.2 v1(405.66,230.08) ; v1(254.45,170.18) 254.65,172.38 254.8,174.62 255,177 254.96,180.18 254.89,183.9 254.94,187.59 254.67,191.1 254.94,195.86 254.91,200.31 254.85,204.8 254.71,208.87 254.31,215.14 254.2,216.45 253.96,221.17 253.53,226.26 253.13,231.64 252.89,236.78 252.69,240.36 252.44,246.46 252.11,251.73 252.13,257.73 251.8,261.2 251.71,264.05 251.42,269.01 251.58,270.27 251.47,271.96 251.47,274.5 251.58,280.84 251.49,287.38 251.78,305.81 251.71,306.79 251.82,307.37 v1(251.78,308.41) ; 220.8,210.82 v1(221.18,213.69) ; 325.85,113.48 325.84,113.49 ; 325.84,113.49 325.84,139.13 325.95,140.3 ; v1(136.99,100.28) 136.92,100.35 137.02,115.9 137.15,117.64 137.4,119.19 137.42,119.85 137.61,122.21 137.58,123.78 137.58,126.84 137.32,131.18 137.09,136.64 137.01,138.11 136.84,139.8 136.76,140.94 136.52,146.17 136.44,148.04 136.21,153.58 136.12,154.74 136,155.54 135.77,156.44 135.41,158.25 134.46,161.24 134.03,164.45 134.04,166.79 134.04,168.73 134.21,169.84 134.74,173.5 135.18,175.55 135.61,177.53 136.03,178.52 136.29,180.5 136.55,182.12 136.96,186.84 137.04,188.12 137.27,194.4 137.42,195.78 137.53,198.54 137.64,199.09 137.78,202.12 138.04,203.89 138.48,206.86 138.59,208.19 138.99,211.67 139.08,212.83 139.62,216.12 140.19,218.86 140.72,220.86 140.83,221.66 141.08,224.88 141.32,228.67 141.14,231.6 141.08,233.13 140.96,244.99 140.6,245.35 v1(140.6,246.8) ; v1(330.64,155.91) 331.13,154.47 331.2,152.63 330.82,137.11 v1(330.58,134.45) ; v1(172.28,228.78) 172.95,226.54 172.94,199.48 ; v1(404.6,340.27) 404.79,342.2 404.74,343.06 404.77,343.79 405.46,345.63 406.38,347.12 406.78,348.21 406.96,349.75 406.85,351.11 406.7,351.78 406.17,354.3 405.82,355.54 405.69,356.74 405.55,357.57 405.4,358.56 405.32,359.83 405.31,360.69 405.28,362.38 v1(405.18,363.21) ; v1(223.82,324.1) 224.06,298.35 v1(223.86,292.54) ; 369.78,109.26 v1(369.76,109.36) 369.95,110.62 370.12,111.07 370.38,114.31 370.25,118.07 370.16,135.35 370.16,136.49 370.13,136.66 369.95,149.71 369.91,152.05 369.57,164.18 369.57,165.61 369.52,166.21 369.5,167.13 369.46,169.84 369.48,171.72 369.66,173.69 370,175.73 370.15,182.42 370.03,185.87 369.36,189.35 368.81,191.84 368.83,197.3 368.88,197.9 368.92,199.14 369.04,204.86 369.11,206.22 369.18,209.28 369.27,209.65 369.53,210.82 369.74,211.91 369.95,212.82 370.09,214.01 370.53,217.14 370.45,222.53 370.36,222.62 370.43,224.55 370.36,230.29 v1(369.95,230.97) ; v1(335.56,141.83) 335.61,141.41 335.73,140.29 335.82,139.87 335.92,139.11 336.12,137.76 336.05,137.98 336.22,136.41 336.22,118.12 335.82,114.19 335.82,111.71 335.73,110.32 v1(335.34,108.3) ; v1(325.08,379.84) 325.08,377.59 325.13,377.55 324.92,353.63 324.9,350.84 324.83,342.97 324.77,338.71 325.04,328.82 325.18,326.62 325.36,324.82 325.67,316 325.93,310.38 326.43,296.76 326.56,295.31 326.75,290.89 326.93,288.4 327.34,279.21 327.61,275.46 327.83,270 327.93,268.82 328.2,263.97 328.58,256.01 328.81,253.12 328.84,244.1 328.77,241.55 328.77,232.8 328.69,223.91 328.69,203.85 328.64,203.81 328.74,187.88 328.73,186.65 328.63,181.67 328.77,174.69 328.36,171.65 327.7,168.28 326.93,164.14 326.37,162.28 325.99,159.57 325.49,157.71 325.31,154.77 325.13,153.19 325.08,151 325.18,149.71 324.95,148.18 324.43,145.98 324.58,137.42 324.31,119.77 324.2,101.83 324.11,99.44 324.17,98.09 324.13,85.99 324.13,85.57 v1(324.31,85.39) 324.43,85.27 ; v1(406.78,343.86) 407.39,345.09 407.65,346.1 407.88,347.27 407.86,348.07 407.88,349.18 407.85,350.48 407.9,351.05 407.73,353.59 407.38,355.03 407.19,356.61 407.01,357.67 406.85,361.38 407.02,362.94 407.23,364.01 407.36,365.04 407.49,366.15 407.6,370.9 407.55,372.43 407.64,373.94 407.68,377.09 407.68,378.69 407.73,381.93 407.73,383.13 407.7,384.47 407.67,385.07 407.55,388.13 407.39,389.11 407.3,389.32 v1(407.02,389.73) ; 293.09,53.47 v1(293.06,53.53) 293.2,54.54 293.83,56.31 293.94,57.61 294.13,117.95 294.19,159.87 294.39,186.57 294.29,189.11 293.99,191.48 293.83,192.32 v1(293.65,193.01) ; 140.04,290.11 139.91,288.77 139.76,287.95 139.68,284.48 139.68,283.88 139.96,282.98 140.53,281 140.74,280.8 141.1,279.51 141.12,274.88 140.97,273.93 140.71,272 140.74,271.1 140.74,270.92 140.94,269.58 141.1,269.12 v1(142.07,268.26) ; v1(218.29,99.81) 218.29,99.17 218.08,98.96 218.02,80.05 v1(218.08,75.79) ; v1(99.05,101.4) 98.24,101.35 98.05,101.32 97.01,102.12 96.38,103.22 95.8,104.62 95.68,105.78 95.43,106.84 95.35,108.2 95.24,108.31 95.27,109.66 95.27,110.72 95.22,112.17 95.22,113.06 95.37,114.12 95.52,116.71 95.61,118.38 95.69,120.75 95.7,121.01 95.6,121.67 95.28,124.02 94.5,125.42 94.09,126.33 93.13,127.7 92.18,128.75 90.79,130.21 89.59,131.01 88.73,131.71 87.69,132.29 86.92,132.78 86.04,133.3 85.67,133.44 v1(85.16,133.98) ; v1(173.04,72.54) 173.19,84.39 173.23,85.69 173.25,87.88 173.27,90.96 v1(173.46,91.15) 173.35,96.05 173.37,98.42 173.37,99.35 v1(173.43,99.41) ; v1(325.86,256.44) 326.02,255.66 326.22,254.85 326.35,245.38 326.58,239.27 326.58,228.62 326.59,228.61 326.51,189.83 326.49,188.18 326.31,182.41 326.27,181.65 326.23,181.39 326.07,178.77 326,177.53 325.94,176.64 325.96,176.74 325.88,176.04 v1(325.73,175.05) ; v1(223.62,200.84) 223.89,200.19 223.92,199.43 223.79,171.76 223.77,166.71 v1(223.72,157.77) 223.93,157.97 ; 291.79,56.05 v1(291.84,55.97) 292.11,56.05 293.27,59.55 293.57,117.95 293.57,129.93 292.9,177.71 292.2,191.6 291.95,192.99 292.03,194.44 292.03,195.13 v1(292.41,195.51) ; v1(183.52,353.34) 183.3,352.72 183.67,350.83 183.99,349.37 184.17,346.67 184.25,346.33 184.29,345.28 184.28,338.16 184.29,336.51 184.34,333.76 184.28,332.77 184.25,332.74 184.25,322.89 184.2,322.54 184.22,320.98 184.28,318.85 184.19,315.16 184.26,313.34 184.26,303.27 184.22,303.23 184.32,303.12 184.22,290.1 184.22,287.95 184.2,284.17 184.17,282.89 184.17,276.58 184.2,276.1 184.07,273.96 183.95,272.65 183.92,271.66 v1(183.62,269.67) ; 219.93,95.49 v1(219.89,95.52) 219.93,99.33 219.98,100.41 219.98,100.81 219.97,101.21 219.97,103.25 220.25,104.96 220.56,105.91 220.94,107.07 221.36,110.76 221.5,112.09 221.59,116.08 221.59,117.46 221.74,124.37 221.65,126.79 221.51,127.94 221.18,134.18 220.87,141.9 220.74,144.67 220.7,146.87 220.4,150 219.71,153.95 218.4,160.41 217.62,164.6 217.53,168.25 218.4,173.73 217.84,185.89 217.89,185.94 217.58,196.36 217.41,198.34 216.91,201.21 216.84,203.45 217,204.8 217.27,207.65 217.58,209.34 217.7,210.76 217.08,214.76 216.96,216.97 217.66,218.31 v1(218.79,220.08) ; 406.45,64.47 v1(406.36,64.6) 406.63,119.7 406.54,129.07 406.63,133.91 406.73,145.15 406.79,146.58 406.7,148.7 406.7,150.15 406.79,153.84 406.7,158.91 406.68,165.53 406.64,171.22 406.89,177.31 406.85,180.25 406.6,183.42 406.58,185.92 406.69,189.99 406.63,192.69 